# Altium PCB LimePSB-RPCM_1v4.PcbDoc (part 11 of 12)
Units mm, origin at the board's own origin, x right, y up, seen from the top; angles counter-clockwise.
Board outline 170 x 110 mm, 6 copper layers (Top, L2, L3, L4, L5, Bottom), stack 1.583 mm thick; 1007 components, 587 nets, 4215 pads, 1928 vias.
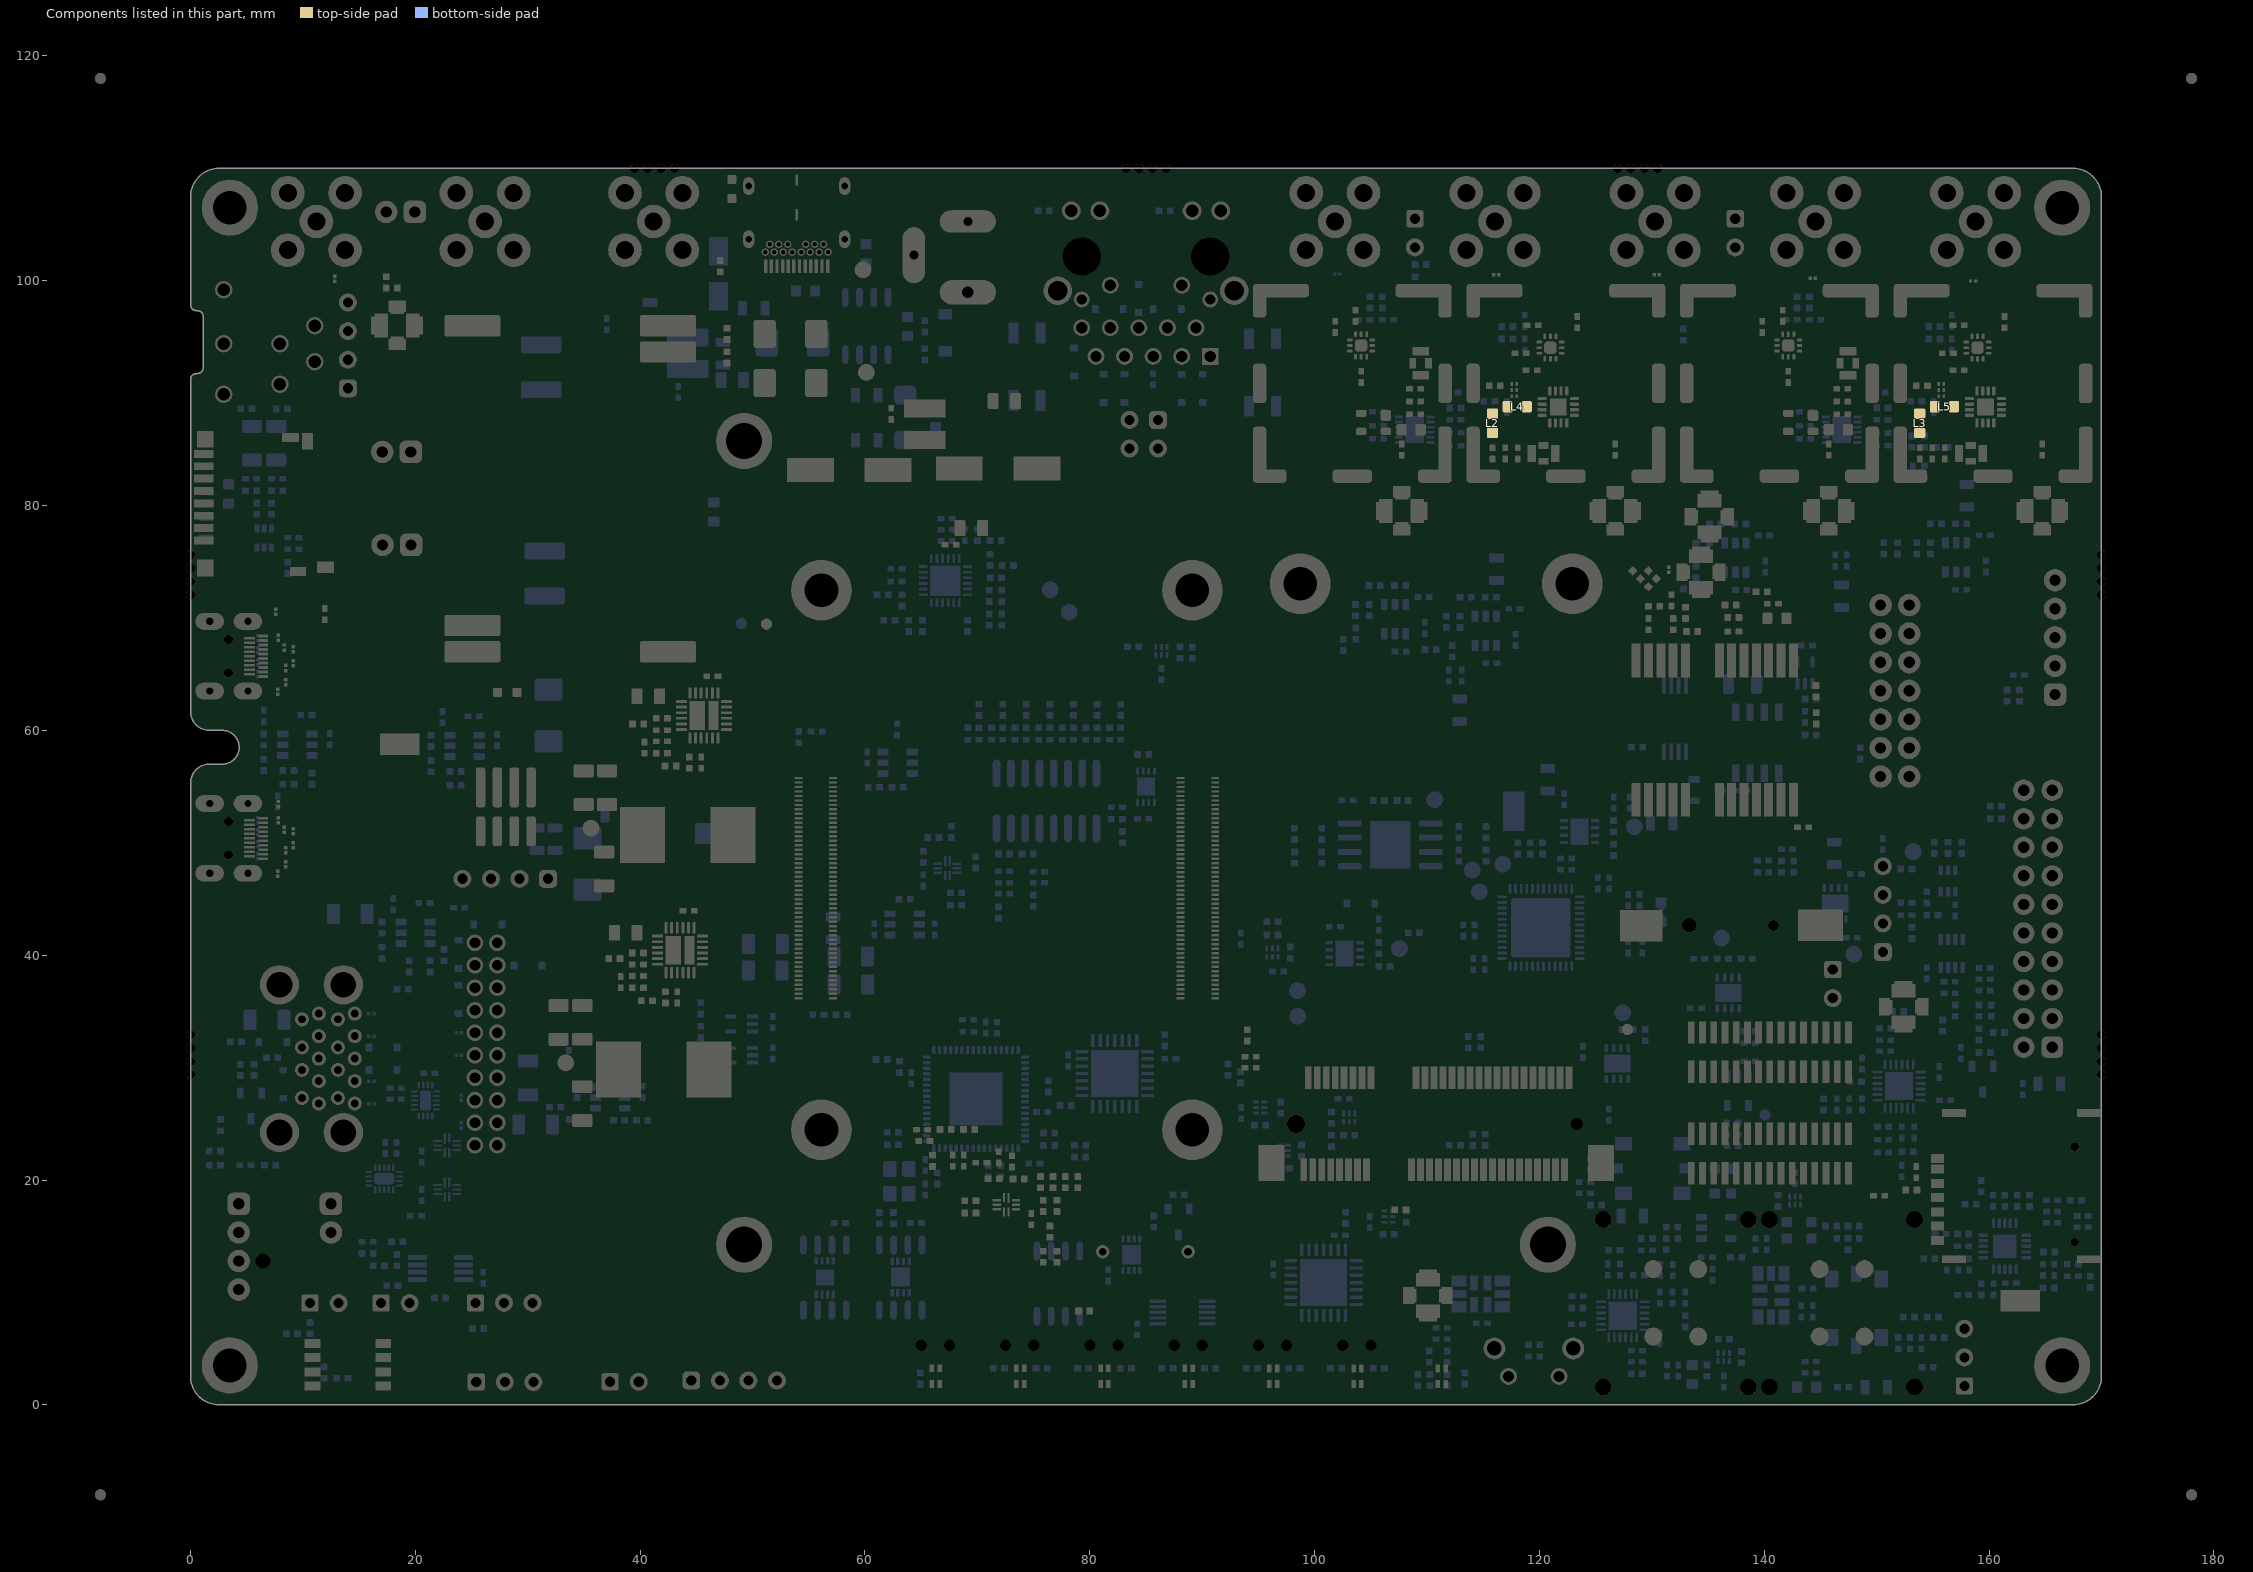
[diagram p15: the components of this part, seen from the top]

## Polygon pours and split planes (outlines as drawn)
GND on L4 "GND_L04_P008" (solid, remove dead copper, pour order 8): -0.075,28.25 cw(c0,28.25) -0.075,28.251 -0.075,34.075 cw(c0,34.075) -0.075,34.076 -0.075,70.925 -0.075,76.75 cw(c0,76.75) -0.075,76.751 -0.075,107.46 cw(c2.54,107.46) 2.54,110.075 167.46,110.075 cw(c167.46,107.46) 170.075,107.46 170.075,76.75 cw(c170,76.75) 170.075,76.749 170.075,70.925 cw(c170,70.925) 170.075,70.925 ccw(c170,70.925) 170.075,70.926 170.075,70.925 170.075,34.076 170.075,34.075 ccw(c170,34.075) 170.075,34.076 170.075,34.075 170.075,28.25 cw(c170,28.25) 170.075,28.249 170.075,28.25 ccw(c170,28.25) 170.075,28.25 170.075,2.54 cw(c167.46,2.54) 167.46,-0.075 2.54,-0.075 cw(c2.54,2.54) -0.075,2.54
VCC5P0 on L4 "VCC5P0_L04_P006" (solid, remove dead copper, pour order 6): 35.675,55.425 37.85,57.6 47.1,57.6 54.55,65.05 105.85,65.05 109.3,61.6 115.925,61.6 117.325,60.2 117.325,58.225 116.825,57.725 114.85,57.725 113.1,55.975 65.35,55.975 63.225,58.1 57.6,58.1 50.875,51.375 38,51.375 35.675,53.7
VCC_INT on L4 "VCC_INT_L04_P002" (solid, remove dead copper, pour order 2): 45.75,62.75 49.05,66.05 49.05,80.45 45.575,83.925 45.575,85.975 46.3,86.7 46.3,91.45 45,92.75 39.5,92.75 37.625,90.875 37.625,81.15 42.5,76.275 42.5,66.75 41.75,66 41.75,63.25 42.25,62.75
GND on L3 "GND_L03_P010" (solid, remove dead copper, pour order 10): -0.075,28.25 cw(c0,28.25) -0.075,28.251 -0.075,34.075 cw(c0,34.075) -0.075,34.076 -0.075,70.925 -0.075,76.75 cw(c0,76.75) -0.075,76.751 -0.075,107.46 cw(c2.54,107.46) 2.54,110.075 167.46,110.075 cw(c167.46,107.46) 170.075,107.46 170.075,76.75 cw(c170,76.75) 170.075,76.749 170.075,70.925 cw(c170,70.925) 170.075,70.925 ccw(c170,70.925) 170.075,70.926 170.075,70.925 170.075,34.076 170.075,34.075 ccw(c170,34.075) 170.075,34.076 170.075,34.075 170.075,28.25 cw(c170,28.25) 170.075,28.249 170.075,28.25 ccw(c170,28.25) 170.075,28.25 170.075,2.54 cw(c167.46,2.54) 167.46,-0.075 2.54,-0.075 cw(c2.54,2.54) -0.075,2.54
VCC3P3 on L3 "VCC3P3_L03_P004" (solid, remove dead copper, pour order 4): 114.175,9.55 111.275,6.65 85.975,6.65 83.075,9.55 86.05,12.525 111.2,12.525
GND on L5 "GND_L05_P009" (solid, remove dead copper, pour order 9): -0.075,28.25 cw(c0,28.25) -0.075,28.251 -0.075,34.075 cw(c0,34.075) -0.075,34.076 -0.075,70.925 -0.075,76.75 cw(c0,76.75) -0.075,76.751 -0.075,107.46 cw(c2.54,107.46) 2.54,110.075 167.46,110.075 cw(c167.46,107.46) 170.075,107.46 170.075,76.75 cw(c170,76.75) 170.075,76.749 170.075,70.925 cw(c170,70.925) 170.075,70.925 ccw(c170,70.925) 170.075,70.926 170.075,70.925 170.075,34.076 170.075,34.075 ccw(c170,34.075) 170.075,34.076 170.075,34.075 170.075,28.25 cw(c170,28.25) 170.075,28.249 170.075,28.25 ccw(c170,28.25) 170.075,28.25 170.075,2.54 cw(c167.46,2.54) 167.46,-0.075 2.54,-0.075 cw(c2.54,2.54) -0.075,2.54
GND on L2 "GND_L02_P011" (solid, remove dead copper, pour order 11): -0.075,28.25 cw(c0,28.25) -0.075,28.251 -0.075,34.075 cw(c0,34.075) -0.075,34.076 -0.075,70.925 -0.075,76.75 cw(c0,76.75) -0.075,76.751 -0.075,107.46 cw(c2.54,107.46) 2.54,110.075 167.46,110.075 cw(c167.46,107.46) 170.075,107.46 170.075,76.75 cw(c170,76.75) 170.075,76.749 170.075,70.925 cw(c170,70.925) 170.075,70.925 ccw(c170,70.925) 170.075,70.926 170.075,70.925 170.075,34.076 170.075,34.075 ccw(c170,34.075) 170.075,34.076 170.075,34.075 170.075,28.25 cw(c170,28.25) 170.075,28.249 170.075,28.25 ccw(c170,28.25) 170.075,28.25 170.075,2.54 cw(c167.46,2.54) 167.46,-0.075 2.54,-0.075 cw(c2.54,2.54) -0.075,2.54
GND on Bottom "GND_L06_P007" (solid, remove dead copper, pour order 7): -0.075,28.25 cw(c0,28.25) -0.075,28.251 -0.075,34.075 cw(c0,34.075) -0.075,34.076 -0.075,70.925 -0.075,76.75 cw(c0,76.75) -0.075,76.751 -0.075,107.46 cw(c2.54,107.46) 2.54,110.075 167.46,110.075 cw(c167.46,107.46) 170.075,107.46 170.075,76.75 cw(c170,76.75) 170.075,76.749 170.075,70.925 cw(c170,70.925) 170.075,70.925 ccw(c170,70.925) 170.075,70.926 170.075,70.925 170.075,34.076 170.075,34.075 ccw(c170,34.075) 170.075,34.076 170.075,34.075 170.075,28.25 cw(c170,28.25) 170.075,28.249 170.075,28.25 ccw(c170,28.25) 170.075,28.25 170.075,2.54 cw(c167.46,2.54) 167.46,-0.075 2.54,-0.075 cw(c2.54,2.54) -0.075,2.54
GND on Top "GND_L01_P012" (solid, remove dead copper, pour order 12): -0.075,28.25 cw(c0,28.25) -0.075,28.251 -0.075,34.075 cw(c0,34.075) -0.075,34.076 -0.075,70.925 -0.075,76.75 cw(c0,76.75) -0.075,76.751 -0.075,107.46 cw(c2.54,107.46) 2.54,110.075 167.46,110.075 cw(c167.46,107.46) 170.075,107.46 170.075,76.75 cw(c170,76.75) 170.075,76.749 170.075,70.925 cw(c170,70.925) 170.075,70.925 ccw(c170,70.925) 170.075,70.926 170.075,70.925 170.075,34.076 170.075,34.075 ccw(c170,34.075) 170.075,34.076 170.075,34.075 170.075,28.25 cw(c170,28.25) 170.075,28.249 170.075,28.25 ccw(c170,28.25) 170.075,28.25 170.075,2.54 cw(c167.46,2.54) 167.46,-0.075 2.54,-0.075 cw(c2.54,2.54) -0.075,2.54

## Other copper
Top:
  pour cut-out: 122.069,9.606 ccw(c120.273,7.81) 120.273,10.35 113.383,10.35 cw(c113.383,11.033) 112.9,10.55 ccw(c112.055,9.705) 112.055,10.9 110.5,10.9 110.5,8.525 112.001,8.525 ccw(c112.001,9.549) 112.725,8.825 cw(c113.51,8.04) 113.51,9.15 120.145,9.15 cw(c120.145,7.87) 121.05,8.775 121.432,8.393 ccw(c122.2,9.161) 122.2,8.075 ccw(c122.2,8.497) 122.499,8.199 122.575,8.275 ccw(c122.273,8.577) 122.7,8.577 122.7,8.65 ccw(c121.915,8.65) 122.47,9.205
  pour cut-out: 158.925,88.875 158.925,88.175 157.931,88.175 ccw(c157.931,87.919) 157.75,88.1 cw(c157.207,88.643) 157.207,87.875 156.775,87.875 cw(c156.775,88.901) 156.049,88.176 156.025,88.2 cw(c156.991,89.166) 155.625,89.166 155.625,90.1 157.075,90.1 cw(c157.075,89.325) 157.85,89.325 157.85,88.975 ccw(c157.95,88.975) 157.95,88.875
  pour cut-out: 120.925,88.875 120.925,88.175 119.931,88.175 ccw(c119.931,87.919) 119.75,88.1 cw(c119.207,88.643) 119.207,87.875 118.775,87.875 cw(c118.775,88.901) 118.049,88.176 118.025,88.2 cw(c118.991,89.166) 117.625,89.166 117.625,90.1 119.075,90.1 cw(c119.075,89.325) 119.85,89.325 119.85,88.975 ccw(c119.95,88.975) 119.95,88.875
  pour cut-out: 157.8,105.275 157.8,100.052 ccw(c160.34,100.052) 158.544,98.256 160.168,96.632 cw(c159.187,95.65) 160.575,95.65 160.575,94.825 cw(c160.175,94.825) 160.175,94.425 159.525,94.425 159.525,93.675 160.975,93.675 ccw(c160.975,94.95) 162.25,94.95 162.25,96.689 ccw(c160.714,96.689) 161.8,97.775 160.569,99.006 cw(c162.365,100.802) 159.825,100.802 159.825,105.275
  pour cut-out: 160.125,89.675 163.502,89.675 cw(c162.372,86.559) 165.081,88.469 cw(c163.285,86.673) 165.825,86.673 165.825,79.925 163.65,79.925 163.65,85.95 ccw(c161.9,85.95) 161.9,87.7 160.125,87.7
  pour cut-out: 126.493,101.225 125.602,101.225 ccw(c125.602,98.685) 123.806,100.481 123.15,99.825 ccw(c124.538,98.437) 122.575,98.437 122.575,94.85 cw(c122.15,94.85) 122.15,94.425 121.525,94.425 121.525,93.675 123.025,93.675 ccw(c123.025,94.7) 124.05,94.7 124.05,97.282 cw(c126.493,97.282) 126.493,99.725
  pour cut-out: 158.6,93.5 158.6,92.875 cw(c158.425,92.875) 158.425,92.7 156.4,92.7 ccw(c156.4,91.925) 155.625,91.925 155.625,90.45 156.5,90.45 156.5,90.75 cw(c157.125,90.75) 157.125,91.375 158.525,91.375 ccw(c158.525,92.2) 159.35,92.2 159.35,93.5
  pour cut-out: 120.6,93.5 120.6,92.875 cw(c120.425,92.875) 120.425,92.7 118.4,92.7 ccw(c118.4,91.925) 117.625,91.925 117.625,90.45 118.5,90.45 118.5,90.75 cw(c119.125,90.75) 119.125,91.375 120.525,91.375 ccw(c120.525,92.2) 121.35,92.2 121.35,93.5
  pour cut-out: 140.58,94.845 cw(c140.773,95.038) 140.5,95.038 140.5,97.25 cw(c141.375,97.25) 141.375,98.125 143.475,98.125 ccw(c143.475,100.225) 145.575,100.225 145.575,105.275 143.55,105.275 143.55,100.325 cw(c142.875,100.325) 142.875,99.65 140.925,99.65 ccw(c140.925,97.875) 139.15,97.875 139.15,95.092 ccw(c140.58,95.092) 140.58,93.662
  pour cut-out: 102.58,93.662 102.388,93.662 cw(c102.388,94.925) 101.125,94.925 101.125,96.926 cw(c103.174,96.926) 101.725,98.375 103.831,100.481 cw(c105.627,98.685) 105.627,101.225 107.7,101.225 107.7,99.725 106.377,99.725 ccw(c106.377,97.185) 104.581,98.981 103.324,97.724 ccw(c105.12,95.928) 102.58,95.928
  pour cut-out: 143.7,93.662 144.306,93.662 ccw(c144.306,95.244) 145.425,94.125 145.881,94.581 cw(c147.677,92.785) 147.677,95.325 158.479,95.325 cw(c158.479,95.154) 158.6,95.275 158.6,94.6 159.35,94.6 159.35,95.95 ccw(c158.6,95.95) 158.6,96.7 146.809,96.7 ccw(c146.809,94.566) 145.3,96.075 144.331,95.107 cw(c143.7,95.738) 143.7,94.845
  pour cut-out: 105.7,93.662 106.306,93.662 ccw(c106.306,95.244) 107.425,94.125 107.881,94.581 cw(c109.677,92.785) 109.677,95.325 120.479,95.325 cw(c120.479,95.154) 120.6,95.275 120.6,94.6 121.35,94.6 121.35,95.95 ccw(c120.6,95.95) 120.6,96.7 108.809,96.7 ccw(c108.809,94.566) 107.3,96.075 106.332,95.107 cw(c105.7,95.738) 105.7,94.845
  pour cut-out: 129,64.375 130.4,64.375 130.4,71.659 cw(c131.766,71.659) 130.8,72.625 cw(c131.404,72.021) 131.404,72.875 133.975,72.875 133.975,75.3 131.675,75.3 cw(c131.675,75.575) 131.4,75.575 131.4,75.678 cw(c131.997,75.678) 131.575,76.1 132.814,77.339 cw(c133.625,76.528) 133.625,77.675 134.55,77.675 134.55,80.3 132.85,80.3 ccw(c132.85,79.85) 132.4,79.85 132.4,79.551 cw(c130.949,79.551) 131.975,78.525 129.744,76.294 ccw(c131.54,74.498) 129,74.498
  pour cut-out: 126.493,101.225 126.493,99.725 128.81,99.725 ccw(c128.81,102.265) 131.35,102.265 131.35,104.225 ccw(c130.3,104.225) 130.3,105.275 ccw(c130.3,104.225) 129.25,104.225 129.25,102.65 cw(c127.825,102.65) 127.825,101.225
  pour cut-out: 107.7,101.225 113.6,101.225 ccw(c113.6,102.625) 115,102.625 115,105.265 117.076,105.285 117.075,102.601 117.075,101.05 cw(c115.75,101.05) 115.75,99.725 107.7,99.725
  pour cut-out: 122.125,89.675 125.502,89.675 cw(c124.372,86.559) 127.081,88.469 cw(c125.285,86.673) 127.825,86.673 127.825,79.925 125.65,79.925 125.65,85.95 ccw(c123.9,85.95) 123.9,87.7 122.125,87.7
  pour cut-out: 10.125,104.4 10.125,101.415 ccw(c12.665,101.415) 12.665,98.875 14,98.875 cw(c14,97.668) 14.854,98.521 15.281,98.094 ccw(c17.077,99.89) 17.077,97.35 20.225,97.35 20.225,99.325 18.975,99.325 cw(c18.975,99.6) 18.7,99.6 18.7,106.45 ccw(c17.675,106.45) 17.675,107.475 17.1,107.475 ccw(c17.1,106.45) 16.075,106.45 16.075,103.475 cw(c13.825,103.475) 13.825,101.225 cw(c13.825,102.8) 12.25,102.8 12.25,104.4
  pour cut-out: 143.575,87.525 146.325,87.525 cw(c146.325,87.075) 146.775,87.075 146.775,79.95 144.7,79.95 144.7,84.975 ccw(c143.575,84.975) 143.575,86.1
  pour cut-out: 105.575,87.525 108.325,87.525 cw(c108.325,87.075) 108.775,87.075 108.775,79.95 106.7,79.95 106.7,84.975 ccw(c105.575,84.975) 105.575,86.1
  pour cut-out: 122.7,8.975
  pour cut-out: 140.58,94.845 140.797,94.628 141.597,94.628 141.597,93.878 140.797,93.878 140.58,93.662
  pour cut-out: 102.58,94.845 102.797,94.628 103.597,94.628 103.597,93.878 102.797,93.878 102.58,93.662
  pour cut-out: 143.7,94.845 143.483,94.628 142.683,94.628 142.683,93.878 143.483,93.878 143.7,93.662
  pour cut-out: 105.7,94.845 105.483,94.628 104.683,94.628 104.683,93.878 105.483,93.878 105.7,93.662
  pour cut-out: 143.15,87.325 143.15,92.275 142.525,92.9 142.525,93.7 141.775,93.7 141.775,92.9 141.15,92.275 141.15,87.325
  pour cut-out: 105.15,87.325 105.15,92.275 104.525,92.9 104.525,93.7 103.775,93.7 103.775,92.9 103.15,92.275 103.15,87.325
  region net VCC5P0_RFB: 156.458,93.9 157.054,93.9 157.404,93.55 157.404,93.171 157.143,92.91 156.393,92.91 156.318,92.985 156.318,93.76
  region net VCC5P0_RXB_LNA: 146.675,93.325 146.675,94.3 146.75,94.375 147.44,94.375 147.44,93.325
  region net VCC5P0_RFB: 141.99,96.76 141.99,96.164 141.64,95.814 141.261,95.814 141,96.075 141,96.825 141.075,96.9 141.85,96.9
  region net VCC5P0_RFA: 118.458,93.9 119.054,93.9 119.404,93.55 119.404,93.171 119.143,92.91 118.393,92.91 118.318,92.985 118.318,93.76
  region net VCC5P0_RFA: 103.99,96.76 103.99,96.164 103.64,95.814 103.261,95.814 103,96.075 103,96.825 103.075,96.9 103.85,96.9
  region net VCC5P0_HDMI: 13.05,69.1 13.475,69.525 12.65,70.35 11.8,70.35 11.4,69.95 11.4,69.375 11.675,69.1
  region net VCC5P0_HDMI: 6.05,52.075 7.275,52.075 7.425,52.225 7.425,52.925 7.325,53.025 6.75,53.025 6.05,52.325
  region net VCC5P0_HDMI: 6.05,68.275 7.275,68.275 7.425,68.425 7.425,69.125 7.325,69.225 6.75,69.225 6.05,68.525
  pour cut-out: 20.225,99.325 18.7,100.85 18.7,99.325
  pour cut-out: 19.725,72.575 19.725,66.475 18.95,65.7 17.175,65.7 15.825,64.35 15.825,61.625 17.15,60.3 24.25,60.3 25.075,61.125 29.325,61.125 33.775,65.575 33.775,71.275 32.75,72.3 32.725,72.275 25.375,72.275 23.975,73.675 20.825,73.675
  pour cut-out: 21.9,99.65 32.55,99.65 33.625,98.575 33.625,94.75 32.4,93.525 24.9,93.525 23.975,92.6 23.975,73.675 22.55,72.25 20.05,72.25 19.725,72.575 19.725,73.575 21.025,74.875 21.025,98.775
  pour cut-out: 22.075,98.775
  pour cut-out: 21.475,63.475 21.475,72.275 29.05,72.275 29.05,63.475
  region net POE_IN-: 33.2,66.375 33.2,70.375 32.3,71.275 29.95,71.275 29.075,70.4 29.075,68.85 28,67.775 28,65.925 29.275,64.65 31.475,64.65
  region net POE_IN+: 29.225,96.25
  region net POE_IN+: 22.55,97.625 23.275,98.35 31.475,98.35 32.25,97.575 32.25,95.5 31.725,94.975 22.7,94.975 22.55,95.125
  region net POE_IN-: 22.55,65.375 23.275,64.65 31.475,64.65 32.25,65.425 32.25,67.5 31.725,68.025 22.7,68.025 22.55,67.875
  region net POE_OUT+: 39.3,71.325 40.05,72.075 44.375,72.075 45.025,72.725 45.025,76.275 50.425,81.675 59.55,81.675 59.85,81.975 59.85,84.425 62.275,86.85 69.1,86.85 70.675,85.275 70.675,79.825 66.8,75.95 54.65,75.95 52.6,73.9 52.6,73.475 44.95,65.825 40.025,65.825 39.3,66.55
  region net VCC3P3: 99.725,31.25 99.55,31.425 99.05,31.425 98.7,31.075 98.7,30.05 99.125,29.625 99.725,29.625
  region net VCC3P3_GNSS: 142.35,49.525 141.35,49.525 141.25,49.625 141.25,51.6 141.725,51.6 142.45,50.875 142.45,49.625
  region net VCC3P3: 65.275,24.475 66.1,25.3 66.525,25.3 66.975,24.85 66.975,24.2 65.275,24.2
  region net VCC5P0_TXA_PA: 121.05,85.4 122.25,85.4 122.475,85.175 122.475,84.1 122.25,83.875 121.05,83.875
  region net VCC_BARREL: 56.425,99.45 65.1,99.45 66.05,100.4 71.4,100.4 72.3,99.5 72.3,97.1 69.2,94 54.6,94 54.4,94.2 54.4,97.425
  region net VCC3P3: 33.625,27.175 31.825,28.975 31.825,33.025 33.275,34.475 40.2,34.475 41.15,33.525 41.15,27.175
  region net VCC3P3: 56.8,40.775
  region net VCC3P3: 56.8,40.775 57.575,40.775 57.875,41.075 57.875,43.85 58.125,44.1 58.95,44.1 59.2,43.85 59.2,41.125 58.45,40.375 56.8,40.375 56.75,40.425 56.75,40.725
  region net VCC3P3: 57.725,42.7 57.925,42.9 57.925,40.7 57.825,40.6 57.725,40.7
  region net VCC12P0_POE: 63.625,87.6 71.075,87.6 72.025,88.55 72.025,93.375 71.6,93.8 54.8,93.8 54.3,93.3 54.3,89.425 55.675,88.05 63.175,88.05
  region net NetF9_2: 50.3,89.475 49.425,90.35 49.425,96.65 50.45,97.675 52.325,97.675 53.475,96.525 53.475,90.375 52.575,89.475
  region net VCC5P0: 35.75,48.05 36.5,47.3 38.225,47.3 41,44.525 45.625,44.525 47.25,42.9 47.25,40.8 49.675,38.375 54.725,38.375 54.9,38.55 54.9,40.4 54.55,40.75 53.375,40.75 51.825,42.3 51.825,45.35 49.325,47.85 45.875,47.85 42.825,50.9 36.875,50.9 35.75,49.775
  region net SCAP_TEMP: 26.325,48.15 25.475,47.3 25.475,46.475 24.7,45.7 22.275,45.7 21.8,46.175 21.8,48.775 22.225,49.2 22.225,56.3 23.3,57.375 25.775,57.375 26.325,56.825
  region net VCC_SCAP: 29.475,48.35 30.525,47.3 30.525,46.475 31.3,45.7 33.725,45.7 34.2,46.175 34.2,48.775 33.725,49.25 33.725,56.35 32.7,57.375 30.225,57.375 29.475,56.625
  region net VCC5P0_TXB_PA: 159.05,85.4 160.25,85.4 160.475,85.175 160.475,84.1 160.25,83.875 159.05,83.875
  region: 29.225,66.75
  region net VCC5P0_RXB_LNA: 148.205,93.325 148.205,94.3 148.13,94.375 147.44,94.375 147.44,93.325
  region net VCC5P0_RXA_LNA: 108.675,93.325 108.675,94.3 108.75,94.375 109.44,94.375 109.44,93.325
  region net VCC5P0_RXA_LNA: 110.205,93.325 110.205,94.3 110.13,94.375 109.44,94.375 109.44,93.325
  region net NetC277_2: 46.25,59.875 46.075,60.05 46.075,62.6 46.3,62.825 46.3,63.05 46.55,63.05 46.55,62.825 46.975,62.4 46.975,60.4 47.175,60.2 49.025,60.2 51.275,57.95 51.275,48.2 46.25,48.2
  region net NetC283_1: 42.125,59.325 43.8,59.325 44.3,59.825 44.55,59.825 44.55,58.75 43.325,57.525 42.125,57.525
  region net GND: 46.8,62.812 46.8,64.037 47.025,64.262 48.35,64.262 48.9,63.712 48.9,60.887 48.45,60.437 47.175,60.437 47.175,62.762 47.125,62.812
  region net VCC_INT: 41.225,63.937 41.225,61.915 44.175,61.915 44.175,62.7 44.3,62.825 45.575,62.825 45.575,64.4 45.3,64.675 41.963,64.675
  region net VCC5P0: 35.75,48.05 34.075,49.725 34.075,53.925 35.5,55.35 42.325,55.35 43.275,54.4 43.275,48.05
  region net GND: 44.675,41.937 44.675,43.162 44.9,43.387 46.225,43.387 46.775,42.837 46.775,40.012 46.325,39.562 45.05,39.562 45.05,41.887 45,41.937
  region net NetC274_1: 40,38.45 41.675,38.45 42.175,38.95 42.425,38.95 42.425,37.875 41.2,36.65 40,36.65
  region net NetC265_2: 44.125,39 43.95,39.175 43.95,41.725 44.175,41.95 44.175,42.175 44.425,42.175 44.425,41.95 44.85,41.525 44.85,39.525 45.05,39.325 46.9,39.325 49.15,37.075 49.15,27.325 44.125,27.325
  region net VCC_INT: 39.1,43.062 39.1,41.04 42.05,41.04 42.05,41.825 42.175,41.95 43.45,41.95 43.45,43.525 43.175,43.8 39.838,43.8
L2:
  pour cut-out: 132.925,77.985 132.925,80.06 134.475,80.06 134.475,77.985
  pour cut-out: 132.175,73.035 132.175,75.11 133.725,75.11 133.725,73.035
  pour cut-out: 17.363,98.225 19.437,98.225 19.437,96.675 17.363,96.675
  pour cut-out: 163.7,81.725 165.775,81.725 165.775,80.175 163.7,80.175
  pour cut-out: 144.7,81.725 146.775,81.725 146.775,80.175 144.7,80.175
  pour cut-out: 125.7,81.725 127.775,81.725 127.775,80.175 125.7,80.175
  pour cut-out: 106.7,81.725 108.775,81.725 108.775,80.175 106.7,80.175
L3:
  region net VCC3P3: 5.825,71.575 5.275,72.125 5.275,72.7 5.425,72.85 6.125,72.85 6.35,72.625 6.35,72.075 5.85,71.575
  region net VCC3P3: 98.65,32.625 98.65,40.6 99.875,41.825 100.575,41.825 100.975,41.425 100.975,35.725 102.658,34.042 100.923,32.625
  region net VCC3P3: 99.75,30.375 100.825,31.45 101.475,31.45 103.725,29.2 106.475,29.2 109.075,26.6 111.425,26.6 111.7,26.875 111.7,28.075 105.7,34.075 100.1,34.075 98.65,32.625 98.65,30.625 98.9,30.375
  region net ETH_VC2: 95,94.4 94.8,94.2 93.525,94.2 93.325,94.4 93.325,96.11 93.725,96.51 94.55,96.51 95,96.06
  region net ETH_VC3: 74.75,94.925 74.975,94.7 76.15,94.7 76.45,95 76.425,95.025 76.425,96.425 76.025,96.825 75.2,96.825 74.75,96.375
  text "A" at 1.45,7.65 h0.7
  text "V" at 2.45,7.65 h0.7
  text "D" at 3.55,7.65 h0.7
  text "R" at 4.1,7.65 h0.7
  text "L" at 1.925,7.075 h0.7
L4:
  region net VCC5P0_RXA_LNA: 111.975,94.375 112.55,93.8 111.975,93.225 109.325,93.225 108.775,93.775 108.775,94.175 108.975,94.375
  region net VCC5P0_RXA_LNA: 111.5,92.05 110.25,93.3 110.25,93.575 110.475,93.8 112.55,93.8 112.55,92.9 111.7,92.05
  region net VCC5P0_RXB_LNA: 149.5,92.05 148.25,93.3 148.25,93.575 148.475,93.8 150.55,93.8 150.55,92.9 149.7,92.05
  region net VCC5P0_RXB_LNA: 149.975,94.375 150.55,93.8 149.975,93.225 147.325,93.225 146.775,93.775 146.775,94.175 146.975,94.375
  region net VCC3P3: 100.475,41 100.775,41.3 100.775,41.775 100.4,42.15 100.1,42.15 99.725,41.775 99.725,41.3 100.025,41
  region net USB_VBUS_IN: 55.5,102.25 55.9,101.85 61.625,101.85 63.2,100.275 63.2,98.05 62.95,97.8 61.425,97.8 59.375,99.85 56.025,99.85 55.5,100.375
  region net USB_VBUS_IN: 52.575,102.875 52.35,102.65 52.35,102.175 51.637,101.462 52.775,100.325 55.35,100.325 55.85,100.825 55.85,101.275 55.5,101.625 55.5,102.675 55.275,102.9 54.975,102.9 54.75,102.675 54.75,102.35 54.4,102 53.4,102 53.1,102.3 53.1,102.65 52.875,102.875